# Altium PCB ECG_HS_LS.PcbDoc (part 2 of 2)
Units mm, origin at the board's own origin, x right, y up, seen from the top; angles counter-clockwise.
Board outline 88.82 x 45.47 mm, 4 copper layers (Top Layer, GND, PWR, Bottom Layer), stack 0.929 mm thick; 184 components, 118 nets, 579 pads, 362 vias.
Unrouted connection lines stored in the file: 114.
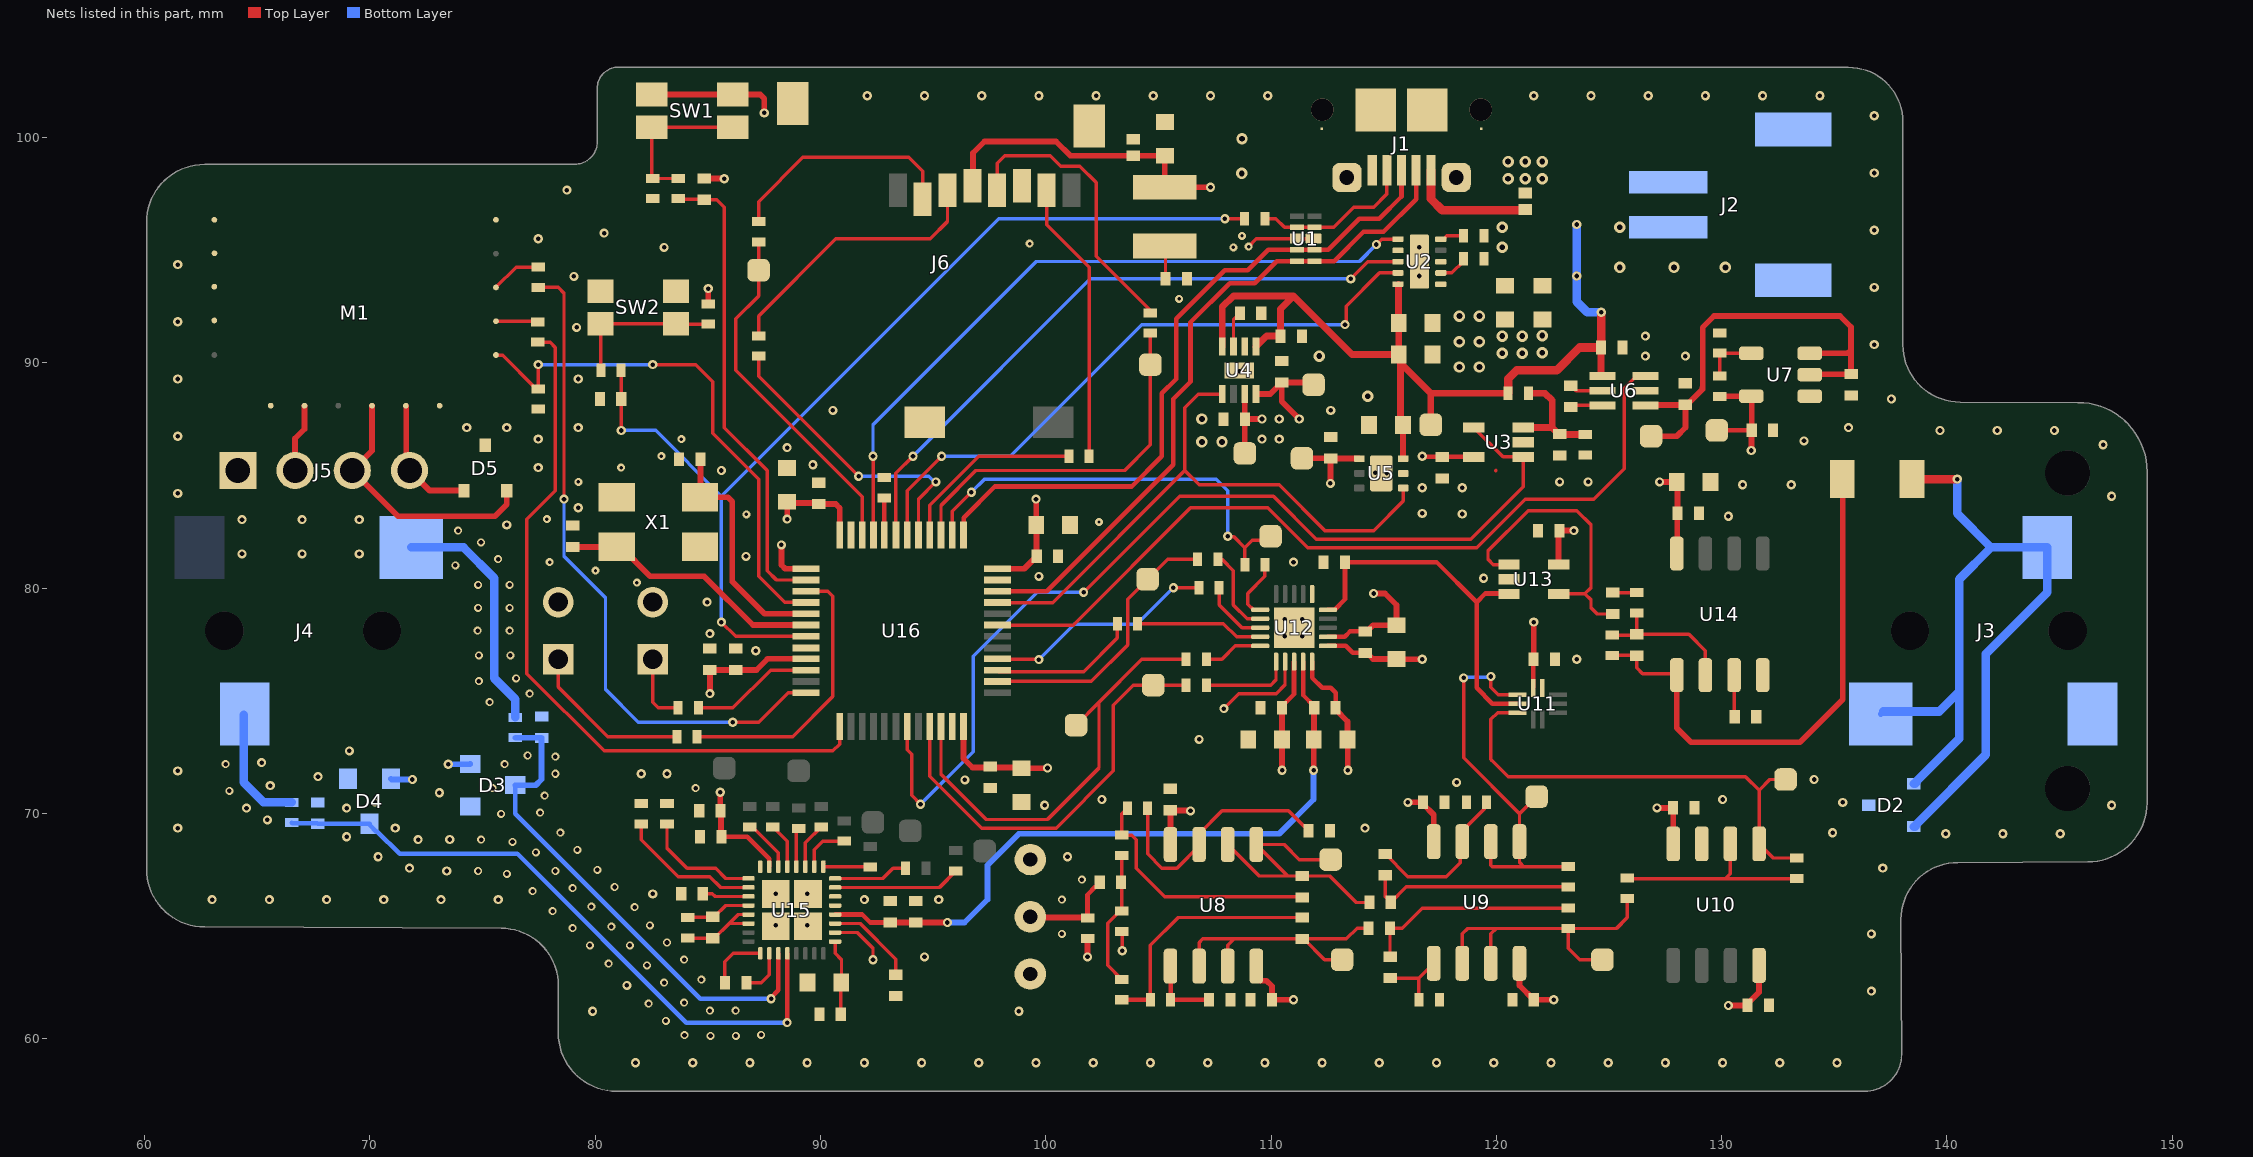
[diagram p4: the nets of this part, all layers, seen from the top]

## Via types
v1: diameter 0.406, hole 0.203, Top Layer to Bottom Layer, tented both sides, 235 vias
v2: diameter 0.356, hole 0.203, Top Layer to Bottom Layer, tented both sides, 66 vias
v3: diameter 0.508, hole 0.254, Top Layer to Bottom Layer, tented both sides, 31 vias
v4: diameter 0.356, hole 0.152, Top Layer to Bottom Layer, tented both sides, 15 vias
v5: diameter 0.406, hole 0.203, Top Layer to Bottom Layer, 13 vias
v6: diameter 1, hole 1, Top Layer to Bottom Layer, 2 vias

## Nets (pads, with @x,y where several pads share a name; then routed paths per layer and width w, separated by ;. In a path a pad name is that pad's centre, name@x,y a point inside that pad or via, vN(x,y) a via of type N, cw(c..) or ccw(c..) an arc to the next point about the centre after c; other vN are vias at no path point) (continued)
AVDD1: C6.2 C10.2 C23.1 C29.2 C31.2 C33.2 C41.1 C42.2 C43.1 R8.2 TP3.1 U3.5 U4.8 U8.8 U9.8 U10.8 U11.7 U13.5 U14.8 | length 25.4
  Top Layer w0.152: v1(116.713,85.852) v1@116.729,85.836 ; C6.2@117.586,85.836 C6.2@117.602,85.819 C6.2@117.603,85.82 ; U3.5@118.998,85.82 U3.5@118.999,85.822
  Top Layer w0.203: v1@116.729,85.836 C6.2@117.586,85.836 ; C6.2@117.603,85.82 U3.5@118.998,85.82 ; U11.7@121.647,75.565 C33.2@121.647,76.842 ; C33.2@121.652,76.847 C33.2@121.656,76.851 ; U14.8@128.016,81.534 U14.8@128.032,81.55 ; C42.2@128.016,84.709 C42.2@128.049,84.676
  Top Layer w0.254: v1(101.854,63.627) R8.2@101.854,64.447 ; U4.8@109.335,88.612 109.963,88.612 C10.2@110.478,89.127 ; U8.8@109.347,63.213 109.347,62.764 109.542,62.569 109.8,62.569 110.043,62.327 C23.1@110.043,61.722 v1(110.998,61.722) ; v1(111.252,87.503) 110.478,88.277 C10.2@110.478,89.127 ; TP3.1@111.887,89.027 111.787,89.127 C10.2@110.478,89.127 ; U3.5@118.999,85.822 U3.5@119.015,85.806 ; U9.8@121.031,63.34 121.031,62.357 C29.2@121.666,61.722 v1(122.555,61.722) ; C33.2@121.659,76.867 121.659,78.479 v1(121.666,78.486) ; U13.5@122.766,81.041 122.766,82.507 C41.1@122.809,82.55 v1(123.444,82.55) ; v1(127.254,84.709) C42.2@128.016,84.709 ; U14.8@128.032,81.55 128.032,83.296 C43.1@128.049,83.312 C42.2@128.049,84.676 ; v1(130.302,61.468) C31.2@131.158,61.468 131.158,61.543 131.666,62.051 U10.8@131.666,63.246
AVDD2: C12.2 C35.2 C36.2 C37.1 C38.2 C56.2 C57.2 D3.3 D4.3 J5.2 M1.J7 TP4.1 U5.1 U12.2 U12.19 U15.12 | length 44.9
  Top Layer w0.203: U15.12@90.651,65.506 91.847,65.506 92.202,65.151 C57.2@93.091,65.151 ; U12.19@111.422,76.732 111.422,75.249 111.92,74.751 C36.2@111.92,74.676 ; U12.2@112.524,77.834 U12.2@112.522,77.832 113.266,77.832 113.506,78.072 C38.2@114.173,78.072
  Top Layer w0.254: J5.2@66.675,85.217 66.675,86.636 67.092,87.053 M1.J7@67.092,88.095 ; C57.2@93.091,65.151 C56.2@94.234,65.151 v1(95.631,65.151) ; TP4.1@111.375,85.76 111.376,85.759 C12.2@112.649,85.758 C12.2@112.649,85.758 ; v1(111.893,71.907) 111.896,71.91 111.896,73.276 111.909,73.289 111.909,74.665 C36.2@111.92,74.676 ; v1@112.644,84.65 112.644,85.753 C12.2@112.649,85.758 ; U5.1@113.919,85.74 113.91,85.749 112.658,85.749 C12.2@112.649,85.758 ; C38.2@114.173,78.072 114.248,78.072 114.523,78.347 C37.1@115.57,78.347 115.57,79.248 115.062,79.756 v1(114.554,79.756)
  Bottom Layer w0.254: D4.3@70.932,71.532 70.963,71.501 v1(71.882,71.501) ; v1(73.472,72.178) 74.435,72.178 D3.3@74.454,72.197 ; v1(95.631,65.151) 96.393,65.151 97.409,66.167 97.409,67.691 98.806,69.088 110.363,69.088 111.887,70.612 111.887,71.901 v1(111.893,71.907)
  other v1: 112.639,84.645
AVDD_EN: U4.5 U5.4 U16.33 | length 27.4
  Top Layer w0.152: U16.33@97.849,79.355 100.31,79.355 106.172,85.217 ; U4.5@107.835,88.612 106.773,88.612 106.172,88.011 106.172,85.217 ; U5.4@115.869,84.44 115.869,83.865 114.554,82.55 112.395,82.55 110.363,84.582 106.807,84.582 106.172,85.217
AVSS: C17.2 C24.2 C30.1 C32.1 C35.1 C36.1 C37.2 C38.1 R6.2 TP6.1 U7.5 U8.4 U9.4 U10.4 U12.1 U12.20 | length 22.9
  Top Layer w0.152: C35.1@113.399,73.279 C35.1@113.411,73.267 ; C37.2@115.57,76.847 C37.2@115.582,76.835
  Top Layer w0.203: U12.20@111.822,76.732 111.822,76.011 112.268,75.565 112.649,75.565 112.87,75.344 C36.1@112.87,74.676 ; U12.1@112.522,77.432 113.322,77.432 113.632,77.122 C38.1@114.173,77.122 C38.1@114.248,77.122 ; TP6.1@129.794,86.995 129.803,87.004 C17.2@131.33,87.004 ; R6.2@129.921,88.508 R6.2@129.932,88.519
  Top Layer w0.254: U8.4@105.537,68.613 C24.2@105.537,70.137 105.553,70.12 106.41,70.12 v1(106.426,70.104) ; C36.1@112.87,74.676 112.87,74.601 113.399,74.072 C35.1@113.399,73.279 ; v1(113.411,71.907) C35.1@113.411,73.267 ; C38.1@114.248,77.122 114.523,76.847 C37.2@115.57,76.847 ; C37.2@115.582,76.835 115.588,76.841 116.707,76.841 v1(116.713,76.835) ; v1(116.078,70.485) C30.1@116.746,70.485 116.746,70.41 117.221,69.935 U9.4@117.221,68.74 ; v1(127.134,70.238) 127.849,70.238 127.852,70.241 127.852,68.703 127.825,68.676 U10.4@127.856,68.646 ; R6.2@129.932,88.519 U7.5@131.318,88.519 131.339,88.498 C17.2@131.339,87.013 131.33,87.004 131.329,87.003 131.329,86.117 v1(131.318,86.106)
  Bottom Layer w0.254: v1@127.127,70.245 v1(127.134,70.238)
BAT_CAP: U3.1 U3.4 U16.19 | length 44.4
  Top Layer w0.152: U16.19@93.849,73.855 93.849,72.825 94.044,72.63 94.044,70.794 v1(94.441,70.398) ; v1(101.678,79.81) 105.942,84.074 110.109,84.074 112.014,82.169 118.872,82.169 121.199,84.496 U3.1@121.199,85.822 120.299,85.822 U3.4@118.999,87.122
  Bottom Layer w0.152: v1(94.441,70.398) 96.774,72.731 96.774,76.962 99.622,79.81 v1(101.678,79.81)
BLE_RST: M1.J12 R48.2 U16.4 | length 23.7
  Top Layer w0.152: M1.J12@75.592,90.345 75.611,90.326 75.886,90.326 77.37,88.842 R48.2@77.47,88.842 v1(77.47,89.916) ; v1(82.55,89.916) 84.455,89.916 85.217,89.154 85.217,86.868 87.249,84.836 87.249,80.518 88.406,79.361 89.343,79.361 U16.4@89.349,79.355
  Bottom Layer w0.152: v1(77.47,89.916) v1(82.55,89.916)
BLE_RX: R49.2 U16.13 | length 32.1
  Top Layer w0.152: R49.2@77.456,90.915 77.995,90.915 78.232,90.678 78.232,84.328 76.962,83.058 76.962,76.2 80.391,72.771 90.551,72.771 90.849,73.069 U16.13@90.849,73.855
BLE_SWCLK: D5.1 J5.4 M1.J10 | length 5.7
  Top Layer w0.254: M1.J10@71.611,88.076 71.611,85.361 J5.4@71.755,85.217 72.628,84.344 72.644,84.328 D5.1@74.168,84.328
BLE_SWDIO: D5.2 J5.3 M1.J9 | length 11.8
  Top Layer w0.254: M1.J9@70.092,88.095 70.092,86.094 J5.3@69.215,85.217 71.247,83.185 75.544,83.185 76.068,83.709 D5.2@76.068,84.328
BLE_TX: R50.2 U16.12 | length 29.6
  Top Layer w0.152: R50.2@77.47,93.345 78.359,93.345 78.613,93.091 v1(78.613,83.947) ; v1(86.106,74.041) 87.249,74.041 88.563,75.355 U16.12@89.349,75.355
  Bottom Layer w0.152: v1(78.613,83.947) 78.613,81.407 80.454,79.566 80.454,75.502 81.915,74.041 v1(86.106,74.041)
BOOT: R41.1 U16.44 | length 1.7
  Top Layer w0.203: U16.44@92.833,82.355 92.835,82.357 92.835,84.003 R41.1@92.837,84.005
CHG_#CHG: U2.8 U16.43 | length 28.9
  Top Layer w0.152: U16.43@93.349,82.355 93.349,85.094 v1(94.107,85.852) ; v1(113.538,93.726) 114.3,94.488 U2.8@115.636,94.488
  Bottom Layer w0.152: v1(94.107,85.852) 101.981,93.726 v1(113.538,93.726)
CHG_#PG: U2.9 U16.42 | length 28.2
  Top Layer w0.152: U16.42@93.849,82.355 93.849,84.324 v1(95.377,85.852) ; v1(113.284,91.694) 113.333,91.743 113.333,92.505 114.816,93.988 U2.9@115.636,93.988
  Bottom Layer w0.152: v1(95.377,85.852) 98.425,85.852 104.267,91.694 v1(113.284,91.694)
CHG_EN: U2.6 U16.45 | length 31.6
  Top Layer w0.152: v1(92.329,85.852) 92.334,85.847 92.334,82.37 U16.45@92.349,82.355 ; v1(114.681,95.25) 114.919,95.488 U2.6@115.636,95.488
  Bottom Layer w0.152: v1(92.329,85.852) 92.329,87.249 99.576,94.496 113.927,94.496 v1(114.681,95.25)
DVDD: C9.2 C39.2 C40.2 C58.2 C59.2 C60.2 C61.2 C62.2 C63.2 C64.2 C65.2 C66.2 C67.2 C70.1 C72.2 D6.1 J6.4 L1.1 R44.2 SW1.2 SW1.2' TP2.1 U4.7 U12.18 U15.23 U16.1 U16.9 U16.24 U16.36 U16.48 | length 56.2
  Top Layer w0.203: C59.2@85.598,68.961 86.741,68.961 87.726,67.976 U15.23@87.726,67.631 ; C9.2@108.835,87.507 C9.2@108.839,87.503 ; C40.2@110.49,74.676 110.49,74.751 111.022,75.283 U12.18@111.022,76.732
  Top Layer w0.254: SW1.2'@82.506,101.907 SW1.2@86.106,101.907 87.323,101.907 87.503,101.727 v1(87.503,101.092) ; C70.1@84.846,98.184 84.852,98.178 85.718,98.178 v1(85.725,98.171) ; R44.2@85.013,92.614 v1(85.013,93.295) ; v1(85.09,75.314) C66.2@85.09,76.36 C67.2@86.233,76.36 87.155,76.36 87.65,76.855 U16.9@89.349,76.855 ; v1(85.546,70.93) 85.546,70.181 C58.2@85.565,70.161 ; C58.2@85.565,70.104 85.582,70.088 85.582,68.977 C59.2@85.598,68.961 ; v1(88.265,81.915) 88.265,81.026 88.436,80.855 U16.1@89.349,80.855 ; v1(88.519,83.058) C60.2@88.519,83.832 88.572,83.779 89.863,83.779 C61.2@89.916,83.726 90.676,83.726 90.849,83.553 U16.48@90.849,82.355 ; U16.24@96.349,73.855 96.349,72.434 96.749,72.034 98.896,72.034 C64.2@98.933,71.997 98.939,72.003 100.07,72.003 v1(100.076,72.009) ; J6.4@96.737,97.863 96.774,97.9 96.774,99.314 97.282,99.822 100.457,99.822 101.092,99.187 D6.1@103.886,99.187 C72.2@105.283,99.187 L1.1@105.283,97.79 v1(107.315,97.79) ; U16.36@97.849,80.855 99.049,80.855 C63.2@99.601,81.407 ; v1(99.568,83.947) 99.574,83.941 99.574,82.81 C62.2@99.58,82.804 99.59,82.793 C63.2@99.59,81.418 ; C9.2@108.835,87.507 U4.7@108.835,88.612 ; TP2.1@108.839,85.979 C9.2@108.839,87.503 v1(109.601,87.503) ; v1(110.49,71.907) C39.2@110.49,73.279 C40.2@110.49,74.676
  other v1: 109.601,86.614 110.363,86.614 110.363,87.503
ELEC_LA: J4.3 R29.2 | length 5.5
  Bottom Layer w0.203: J4.3@64.389,74.362 J4.3@64.432,74.405
  Bottom Layer w0.381: J4.3@64.389,74.362 64.389,71.374 65.274,70.489 R29.2@66.519,70.489
ELEC_RA: J4.2 R28.2 | length 10.8
  Bottom Layer w0.381: J4.2@71.832,81.805 74.151,81.805 75.519,80.437 75.519,75.992 76.45,75.061 R28.2@76.45,74.262
GND: C1.1 C2.1 C3.1 C4.1 C5.1 C6.1 C7.1 C8.1 C9.1 C10.1 C11.1 C12.1 C13.1 C15.1 C16.1 C17.1 C19.2 C20.2 C23.2 C24.1 C29.1 C30.2 C31.1 C32.2 C33.1 C34.2 C39.1 C40.1 C41.2 C42.1 C43.2 C45.1 C48.1 C49.1 C52.1 C53.1 C54.2 C55.2 C56.1 C57.1 C58.1 C59.1 C60.1 C61.1 C62.1 C63.1 C64.1 C65.1 C66.1 C67.1 C68.1 C69.1 C71.1 C72.1 C73.1 D1.2 D2.3 D3.2 D4.2 D5.3 D6.2 J1.5 J1.SH1 J1.SH2 J1.SH3 J1.SH4 J1.SH5 J1.SH6 J2.2 J2.3 J2.4 J3.1 J5.1 J6.6 J6.10 J6.11 J6.12 LD1.C LD2.C M1.J1 M1.J2 M1.J3 M1.J4 M1.J6 M1.J11 M1.J16 pad.D- pad.SHIELD R2.1 R3.1 R5.1 R7.1 R9.1 R16.2 R17.2 R39.1 R40.2 R41.2 R42.2 R48.1 SW2.1 SW2.1' U1.3 U1.8 U2.3 U2.7 U2.11 U3.2 U4.2 U4.9 U5.5 U5.7 U6.2 U7.1 U10.3 U11.6 U12.6 U12.17 U12.21 U13.2 U14.4 U15.10 U15.13 U15.14 U15.24 U15.33 U16.8 U16.23 U16.35 U16.47 X1.2 X1.4 | length 10.6
  Top Layer w0.152: U16.8@89.347,77.341 U16.8@89.349,77.339 ; U15.10@90.651,64.706 91.631,64.706 92.329,64.008 v1(92.329,63.5) ; R9.1@103.378,64.759 103.396,64.741 v1(103.396,63.894) ; v1(107.906,74.645) 108.572,75.311 110.236,75.311 110.622,75.697 U12.17@110.622,76.732 ; v4(109.009,95.154) 109.009,95.163 109.346,95.5 111.112,95.5 U1.8@111.124,95.512 U1.3@111.887,95.512 ; 119.976,85.213 119.987,85.224
  other v1: 81.788,58.928 84.328,58.928 86.868,58.928 89.408,58.928 91.948,58.928 94.488,58.928 97.028,58.928 99.568,58.928 102.108,58.928 104.648,58.928 107.188,58.928 109.728,58.928 112.268,58.928 114.808,58.928 117.348,58.928 119.888,58.928 122.428,58.928 124.968,58.928 127.508,58.928 130.048,58.928 132.588,58.928 135.128,58.928 79.883,61.214 98.806,61.214 136.652,62.103 81.407,62.357 94.615,63.627 136.652,64.643 62.992,66.167 65.532,66.167 68.072,66.167 70.612,66.167 73.152,66.167 75.692,66.167 91.948,66.167 95.25,66.167 82.55,66.421 73.406,67.437 71.755,67.564 137.16,67.564 70.358,68.072 100.965,68.072 72.136,68.834 73.54,68.838 68.961,68.961 139.954,69.088 142.494,69.088 145.034,69.088 134.931,69.134 61.468,69.342 71.12,69.342 114.173,69.342 65.443,69.707 64.516,70.231 68.961,70.231 99.949,70.358 147.32,70.358 135.382,70.485 102.489,70.612 130.048,70.612 73.082,70.912 65.57,71.231 118.237,71.374 96.411,71.481 134.112,71.501 67.691,71.628 82.042,71.755 83.185,71.755 61.468,71.882 65.189,72.247 69.088,72.771 106.807,73.279 123.571,76.835 87.122,77.216 85.09,77.978 84.963,79.375 119.437,80.437 99.695,80.518 110.998,81.153 86.692,81.406 64.319,81.513 66.986,81.513 69.526,81.513 76.073,82.804 64.319,83.037 66.986,83.037 69.526,83.037 130.302,83.185 118.487,83.286 116.713,83.312 79.248,83.566 147.32,84.074 61.468,84.201 116.713,84.455 118.491,84.455 130.937,84.582 133.096,84.582 122.809,84.709 124.079,84.709 85.598,85.217 77.47,85.344 89.662,85.471 88.519,86.233 146.939,86.36 133.661,86.533 77.47,86.614 61.468,86.741 139.7,86.995 142.24,86.995 144.78,86.995 74.295,87.122 76.073,87.122 79.248,87.122 135.636,87.122 90.551,87.884 112.649,87.884 137.541,88.392 61.468,89.281 79.248,89.281 126.619,90.297 128.397,90.297 136.779,90.805 126.619,91.186 79.172,91.57 61.468,91.821 136.779,93.345 79.051,93.832 61.468,94.361 83.058,95.123 77.47,95.504 80.391,95.758 136.779,95.885 78.74,97.663 136.779,98.425 136.779,100.965 92.075,101.854 94.615,101.854 97.155,101.854 99.695,101.854 102.235,101.854 104.775,101.854 107.315,101.854 109.855,101.854 121.666,101.854 124.206,101.854 126.746,101.854 129.286,101.854 131.826,101.854 134.366,101.854
  other v2: 85.116,60.122 86.246,60.122 83.963,60.147 87.368,60.16 83.136,60.784 85.083,61.239 86.229,61.239 82.374,61.546 83.947,61.595 83.058,62.484 84.709,62.611 82.296,63.246 80.596,63.324 83.947,63.5 79.756,64.135 81.534,64.135 83.185,64.262 100.711,64.643 78.994,64.897 80.712,64.964 82.423,65.024 78.105,65.659 81.748,65.838 79.823,65.853 100.711,66.167 77.216,66.548 78.994,66.675 80.859,66.727 101.6,67.056 76.073,67.31 74.803,67.437 78.232,67.437 80.097,67.489 77.368,68.263 79.208,68.378 76.327,68.732 74.93,68.834 78.446,69.14 75.819,69.977 77.557,70.029 70.231,70.485 77.757,70.786 63.754,70.993 75.438,71.12 84.455,71.12 78.232,71.755 63.596,72.182 75.979,72.183 78.232,72.517 76.995,72.564 75.311,74.93 77.089,75.311 74.836,75.866 76.487,75.993 74.836,77.009 76.233,77.009 74.782,78.105 76.2,78.105 74.803,79.121 76.2,79.121 74.803,80.137 76.2,80.137 73.785,81.008 75.692,81.28 74.928,82.024 73.914,82.55
  other v3: 106.934,86.487 107.823,86.487 106.934,87.503 114.3,88.519 118.364,89.813 119.253,89.813 112.141,90.297 120.269,90.424 121.158,90.424 122.047,90.447 118.364,90.932 119.253,90.932 120.269,91.186 121.158,91.186 122.047,91.209 118.364,92.075 119.253,92.075 125.476,94.234 127.889,94.234 130.175,94.234 120.269,95.123 120.269,96.012 125.476,96.012 120.523,98.171 121.285,98.171 122.047,98.171 108.7,98.405 120.523,98.933 121.285,98.933 122.047,98.933 108.712,99.949
  other v4: 81.845,80.243 80.01,80.772 77.978,81.153 102.362,82.931 77.851,83.058 86.707,83.267 79.248,84.709 81.153,85.344 82.931,85.852 83.82,86.614 105.918,92.837 108.331,95.123 99.284,95.286 108.712,95.631
  other v5: 88.011,65.024 89.408,65.024 88.011,66.421 89.408,66.421 110.617,77.851 111.379,77.851 110.617,78.613 111.379,78.613 114.619,85.111 115.134,85.105 108.583,89.625 116.586,93.853 116.586,95.123
  other v6: 112.282,101.227 119.306,101.227
INV_#SHDN: U6.3 U16.31 | length 36.9
  Top Layer w0.152: U16.31@97.849,78.355 101.215,78.355 106.426,83.566 109.853,83.566 111.631,81.788 119.126,81.788 121.285,83.947 124.333,83.947 125.678,85.292 125.678,88.867 126.219,89.408 U6.3@126.619,89.408
LED_GRN: R47.1 U16.10 | length 5.5
  Top Layer w0.152: R47.1@84.582,74.676 86.106,74.676 87.785,76.355 U16.10@89.349,76.355
LED_RED: R46.1 U16.3 | length 12.5
  Top Layer w0.152: R46.1@84.524,73.406 88.773,73.406 90.551,75.184 90.551,79.629 90.325,79.855 U16.3@89.349,79.855
MCP_#CS: R25.2 TP15.1 U16.38 | length 19.2
  Top Layer w0.152: U16.38@95.849,82.355 95.849,83.406 v1(96.697,84.254) ; v1@108.103,82.27 108.357,82.27 108.839,81.788 ; R25.2@108.839,81.026 108.839,81.788 ; TP15.1@109.982,82.296 109.808,82.122 109.173,82.122 108.839,81.788
  Bottom Layer w0.152: v1(96.697,84.254) 97.279,84.836 107.569,84.836 108.077,84.328 v1(108.077,82.296)
MCP_#IRQ: R20.2 TP12.1 U16.22 | length 19.9
  Top Layer w0.152: U16.22@95.349,73.855 95.349,71.733 97.359,69.723 100.076,69.723 102.362,72.009 102.362,74.93 ; TP12.1@101.346,73.914 102.362,74.93 ; R20.2@106.23,76.835 104.267,76.835 102.362,74.93
MCP_DIN: R23.2 U16.28 | length 10.3
  Top Layer w0.152: U16.28@97.849,76.855 97.864,76.84 99.68,76.84 v1(99.695,76.824) ; v1(105.664,80.01) R23.2@106.796,80.01
  Bottom Layer w0.152: v1(99.695,76.824) 101.255,78.384 104.038,78.384 v1(105.664,80.01)
MCP_DOUT: R22.2 U16.27 | length 6.6
  Top Layer w0.152: U16.27@97.849,76.355 97.913,76.291 101.691,76.291 103.182,77.782 R22.2@103.182,78.422
MCP_MCLK: R21.2 TP13.1 U16.21 | length 18.9
  Top Layer w0.152: U16.21@94.849,73.855 94.849,71.648 97.155,69.342 100.457,69.342 102.997,71.882 102.997,74.803 103.886,75.692 TP13.1@104.775,75.692 R21.2@106.23,75.692
MCP_SCK: R24.2 TP14.1 U16.26 | length 12.3
  Top Layer w0.152: U16.26@97.849,75.855 102.017,75.855 103.632,77.47 103.632,79.502 105.41,81.28 R24.2@106.738,81.28
Mic: C18.1 pad.D+ R8.1 | length 4.4
  Top Layer w0.203: R8.1@101.854,65.347 101.854,66.388 102.197,66.731 102.272,66.731 102.395,66.854 C18.1@102.395,66.929
  Top Layer w0.254: pad.D+@99.314,65.405 99.343,65.376 101.825,65.376 R8.1@101.854,65.347
NetC5_2: C5.2 R4.1 R5.2 U3.3 | length 5.3
  Top Layer w0.305: U3.3@121.199,87.122 122.483,87.122 ; R4.1@121.423,88.646 122.174,88.646 122.483,88.337 122.483,87.122 ; R5.2@123.952,86.81 123.94,86.822 122.822,86.822 C5.2@122.809,86.835 122.734,86.835 122.661,86.908 122.661,86.943 122.483,87.122
NetC8_2: C8.2 U4.3 | length 1.6
  Top Layer w0.152: U4.3@108.335,90.712 108.335,91.919 C8.2@108.618,92.202
NetC14_1: C14.1 U6.6 | length 1.3
  Top Layer w0.152: C14.1@123.396,88.108 U6.6@124.719,88.108
NetC14_2: C14.2 U6.5 | length 1.5
  Top Layer w0.152: C14.2@123.317,88.979 123.538,88.758 U6.5@124.719,88.758
NetC18_2: C18.2 R9.2 R10.2 R11.2 | length 6.1
  Top Layer w0.152: R9.2@103.278,65.659 102.743,65.124 102.743,63.257 R11.2@103.378,62.622 ; R9.2@103.378,65.659 C18.2@103.378,66.896 ; C18.2@103.378,66.962 R10.2@103.378,68.13
  Top Layer w0.203: R9.2@103.278,65.659 R9.2@103.378,65.659 ; C18.2@103.378,66.896 C18.2@103.345,66.929 C18.2@103.378,66.962
NetC19_1: C19.1 R12.1 U8.3 | length 11.2
  Top Layer w0.152: R12.1@104.521,70.231 104.521,68.199 105.156,67.564 105.826,67.564 U8.3@106.841,68.579 ; U8.3@106.807,68.613 106.807,69.088 107.823,70.104 110.777,70.104 C19.1@111.666,69.215
NetC20_1: C20.1 R13.1 U8.5 | length 3.2
  Top Layer w0.203: U8.5@105.537,63.213 105.548,63.202 R13.1@105.548,61.722 C20.1@107.254,61.722
NetC21_1: C21.1 C25.2 TP7.1 U8.1 U8.2 | length 12.9
  Top Layer w0.152: U8.2@108.077,68.613 109.474,67.216 110.744,67.216 ; TP7.1@112.649,67.945 111.252,67.945 110.584,68.613 U8.1@109.347,68.613 110.744,67.216 ; C25.2@114.366,66.04 113.792,66.04 112.616,67.216 C21.1@111.379,67.216 110.744,67.216
NetC21_2: C21.2 R10.1 R12.2 | length 11.2
  Top Layer w0.152: R12.2@103.621,70.231 103.378,69.988 R10.1@103.378,69.03 103.817,69.03 104.013,68.834 104.013,67.564 105.283,66.294 C21.2@111.386,66.294
NetC22_1: C22.1 R11.1 R13.2 | length 10.9
  Top Layer w0.152: R13.2@104.648,61.722 104.648,64.135 105.885,65.372 C22.1@111.379,65.372
  Top Layer w0.203: R11.1@103.378,61.722 R13.2@104.648,61.722
NetC22_2: C22.2 C27.2 TP8.1 U8.6 U8.7 | length 12.3
  Top Layer w0.152: U8.6@106.807,63.213 106.807,64.262 106.967,64.422 108.364,64.422 ; U8.7@108.077,63.213 108.077,64.135 108.364,64.422 ; TP8.1@113.157,63.5 112.376,63.5 C22.2@111.454,64.422 ; C27.2@114.333,64.897 113.821,64.897 113.346,64.422 C22.2@111.454,64.422 ; 108.364,64.422 C22.2@111.379,64.422 C22.2@111.454,64.422
NetC25_1: C25.1 C26.2 R14.1 | length 9.5
  Top Layer w0.152: C26.2@115.062,67.249 115.062,66.294 C25.1@115.316,66.04 116.009,66.733 R14.1@123.19,66.733
  Top Layer w0.203: R14.1@123.182,66.741 R14.1@123.19,66.733
NetC26_1: C26.1 R16.1 U9.3 | length 7.2
  Top Layer w0.152: C26.1@115.062,68.199 116.078,67.183 117.782,67.183 118.409,67.81 U9.3@118.409,68.658 ; U9.3@118.491,69.215 119.478,70.202 119.478,70.387 R16.1@119.576,70.485
  Top Layer w0.203: U9.3@118.409,68.658 U9.3@118.491,68.74 U9.3@118.491,69.215
NetC27_1: C27.1 C28.2 R15.1 | length 9.5
  Top Layer w0.152: C28.2@115.283,63.63 C27.1@115.283,64.897 115.824,64.897 116.713,65.786 R15.1@123.19,65.786
NetC28_1: C28.1 R17.1 U9.5 | length 3.2
  Top Layer w0.152: C28.1@115.284,62.68 116.561,62.68 ; R17.1@116.561,61.722 116.561,62.68 ; U9.5@117.221,63.34 116.561,62.68
NetC44_2: C44.2 R26.1 | length 1.1
  Top Layer w0.152: C44.2@125.18,79.797 125.183,79.794 126.236,79.794 R26.1@126.238,79.792
NetC45_2: C45.2 U14.3 | length 1.9
  Top Layer w0.152: U14.3@130.556,76.134 130.556,74.328 C45.2@130.589,74.295
NetC46_1: C46.1 R26.2 R27.1 U14.2 | length 6.5
  Top Layer w0.152: R27.1@125.141,77.913 126.206,77.913 C46.1@126.238,77.945 ; R26.2@126.238,78.892 C46.1@126.238,77.945 ; U14.2@129.286,76.134 129.286,77.216 128.557,77.945 C46.1@126.238,77.945
NetC46_2: C46.2 C47.1 R27.2 U14.1 | length 24
  Top Layer w0.152: R27.2@125.141,77.013 126.22,77.013 C46.2@126.238,76.995 126.238,76.454 126.492,76.2 U14.1@127.95,76.2
  Top Layer w0.254: U14.1@128.016,76.134 128.016,73.787 128.651,73.152 133.477,73.152 135.382,75.057 135.382,84.81 C47.1@135.356,84.836
NetC48_2: C48.2 D3.1 R28.1 U15.3 | length 22.5
  Top Layer w0.203: v1(87.809,61.768) 87.809,61.823 88.126,62.14 U15.3@88.126,63.781
  Bottom Layer w0.152: R28.1@76.45,73.362 R28.1@76.456,73.356
  Bottom Layer w0.203: D3.1@76.454,71.247 76.454,69.977 84.658,61.773 87.804,61.773 v1(87.809,61.768)
  Bottom Layer w0.254: D3.1@76.454,71.247 77.359,71.247 77.617,71.505 C48.2@77.617,73.349 77.61,73.356 R28.1@76.456,73.356
NetC49_2: C49.2 D4.1 R29.1 U15.4 | length 28.8
  Top Layer w0.203: v1(88.519,60.706) 88.524,60.711 88.524,63.779 U15.4@88.526,63.781
  Bottom Layer w0.203: R29.1@66.519,69.589 66.546,69.562 67.664,69.562 C49.2@67.691,69.535 69.979,69.535 D4.1@69.982,69.532 69.982,69.482 70.281,69.184 70.331,69.184 71.315,68.199 74.041,68.199 76.546,68.199 84.039,60.706 v1(88.519,60.706)
NetC50_1: C50.1 U15.2 | length 2.1
  Top Layer w0.152: C50.1@86.708,62.484 87.376,62.484 87.726,62.834 U15.2@87.726,63.781
NetC50_2: C50.2 U15.1 | length 2.6
  Top Layer w0.152: C50.2@85.758,62.484 85.758,63.406 86.133,63.781 U15.1@87.326,63.781
NetC51_1: C51.1 R30.1 U15.28 | length 2.9
  Top Layer w0.152: R30.1@84.117,65.363 84.138,65.384 85.196,65.384 C51.1@85.217,65.405 85.292,65.405 85.793,65.906 U15.28@86.801,65.906
NetC51_2: C51.2 R30.2 U15.29 U15.30 | length 4
  Top Layer w0.152: R30.2@84.117,64.463 84.121,64.459 85.213,64.459 C51.2@85.217,64.455 85.292,64.455 85.943,65.106 ; U15.30@86.801,65.106 85.943,65.106 ; U15.29@86.801,65.506 86.343,65.506 85.943,65.106
NetC52_2: C52.2 C53.2 U15.9 | length 3.3
  Top Layer w0.152: U15.9@90.651,64.306 90.651,63.781 90.932,63.5 90.932,62.496 C52.2@90.92,62.484 90.899,62.463 C53.2@90.899,61.087
NetC54_1: C54.1 U15.27 | length 2.1
  Top Layer w0.152: C54.1@84.771,66.435 85.189,66.435 85.318,66.306 U15.27@86.801,66.306
NetC55_1: C55.1 U15.11 | length 4.1
  Top Layer w0.152: U15.11@90.662,65.096 U15.11@90.651,65.106 91.765,65.106 93.345,63.526 C55.1@93.345,62.832
NetC73_2: C73.2 L1.2 | length 1.5
  Top Layer w0.152: L1.2@105.283,95.19 105.316,95.157 C73.2@105.316,93.726
NetJ6_2: J6.2 R51.1 | length 10.5
  Top Layer w0.152: R51.1@87.249,96.266 87.249,97.155 89.218,99.124 93.916,99.124 94.537,98.503 J6.2@94.537,97.263
NetJ6_3: J6.3 R52.1 | length 12.4
  Top Layer w0.152: R52.1@87.249,91.197 87.249,92.075 90.678,95.504 94.869,95.504 95.637,96.272 J6.3@95.637,97.663
NetJ6_5: J6.5 R53.1 | length 13
  Top Layer w0.152: J6.5@97.837,97.663 97.837,98.853 98.171,99.187 100.203,99.187 100.668,98.722 101.516,98.722 102.235,98.002 102.235,94.726 R53.1@104.698,92.263
NetJ6_7: J6.7 R54.1 | length 12.6
  Top Layer w0.152: J6.7@100.037,97.663 100.037,96.12 101.923,94.234 R54.1@101.923,85.852
NetLD1_A: LD1.A R46.2 | length 7.4
  Top Layer w0.152: LD1.A@78.359,76.835 78.359,75.606 80.559,73.406 R46.2@83.624,73.406
NetLD2_A: LD2.A R47.2 | length 3.1
  Top Layer w0.152: LD2.A@82.55,76.835 82.55,74.93 82.804,74.676 R47.2@83.682,74.676
NetM1_J13: M1.J13 R49.1 | length 1.9
  Top Layer w0.152: M1.J13@75.592,91.845 77.425,91.845 R49.1@77.456,91.815
NetM1_J14: M1.J14 R50.1 | length 2.3
  Top Layer w0.152: M1.J14@75.592,93.345 76.492,94.245 R50.1@77.47,94.245
NetR2_2: R2.2 U2.2 | length 1.3
  Top Layer w0.152: U2.2@117.536,93.988 118.022,93.988 118.549,94.515 R2.2@118.549,94.615
NetR3_2: R3.2 U2.5 | length 1.1
  Top Layer w0.152: U2.5@117.536,95.488 117.661,95.488 117.804,95.631 R3.2@118.549,95.631
NetR6_1: R6.1 R7.2 U7.4 | length 2.4
  Top Layer w0.152: R6.1@129.921,89.408 R7.2@129.921,90.424 129.926,90.419 U7.4@131.318,90.419
NetR15_2: R15.2 R18.1 TP9.1 U9.6 U9.7 | length 14.1
  Top Layer w0.152: U9.6@118.491,63.34 118.491,64.643 118.734,64.886 120.004,64.886 ; U9.7@119.761,63.34 119.761,64.643 120.004,64.886 ; TP9.1@124.714,63.5 123.698,63.5 123.19,64.008 R15.2@123.19,64.886 ; R18.1@125.824,66.225 125.824,65.372 125.338,64.886 R15.2@123.19,64.886 ; 120.004,64.886 R15.2@123.19,64.886
NetR18_2: R18.2 R19.1 U10.2 | length 9.2
  Top Layer w0.152: R18.2@125.853,67.096 R18.2@126.107,67.096 ; R18.2@126.078,67.125 R18.2@126.107,67.096 ; U10.2@130.396,68.646 130.396,67.317 130.175,67.096 ; R19.1@133.35,67.114 133.332,67.096 130.175,67.096 ; R18.2@126.107,67.096 130.175,67.096
NetR20_1: R20.1 U12.15 | length 2.6
  Top Layer w0.152: R20.1@107.13,76.835 107.823,76.835 108.42,77.432 U12.15@109.522,77.432
NetR21_1: R21.1 U12.16 | length 4
  Top Layer w0.152: R21.1@107.13,75.692 109.982,75.692 110.222,75.932 U12.16@110.222,76.732
NetR22_1: R22.1 U12.14 | length 5.7
  Top Layer w0.152: R22.1@104.082,78.422 107.886,78.422 108.477,77.832 U12.14@109.522,77.832
NetR23_1: R23.1 U12.13 | length 3
  Top Layer w0.152: R23.1@107.696,80.01 107.696,79.248 108.712,78.232 U12.13@109.522,78.232
NetR24_1: R24.1 U12.12 | length 3.7
  Top Layer w0.152: R24.1@107.823,81.28 108.331,80.772 108.331,79.248 108.947,78.632 U12.12@109.522,78.632
NetR25_1: R25.1 U12.11 | length 2.7
  Top Layer w0.152: U12.11@109.522,79.032 109.222,79.032 108.966,79.288 108.966,79.756 109.728,80.518 109.728,81.015 R25.1@109.739,81.026
NetR31_1: R31.1 U15.16 | length 3.3
  Top Layer w0.152: U15.16@90.651,67.106 92.76,67.106 93.218,67.564 R31.1@93.784,67.564
NetR32_1: R32.1 U15.18 | length 2.3
  Top Layer w0.152: U15.18@89.726,67.631 89.726,68.39 90.101,68.765 R32.1@91.059,68.765 R32.1@91.123,68.701
NetR33_1: R33.1 U15.19 | length 2.1
  Top Layer w0.152: U15.19@89.326,67.631 89.326,68.683 R33.1@90.043,69.4
NetR34_1: R34.1 U15.20 | length 1.7
  Top Layer w0.152: U15.20@88.926,67.631 R34.1@88.926,69.331
NetR35_1: R35.1 U15.21 | length 2
  Top Layer w0.152: R35.1@87.884,69.4 88.526,68.758 U15.21@88.526,67.631
NetR36_1: R36.1 U15.22 | length 2.3
  Top Layer w0.152: R36.1@86.868,69.4 86.968,69.4 88.126,68.242 U15.22@88.126,67.631
NetR37_1: R37.1 U15.15 | length 5.7
  Top Layer w0.152: U15.15@90.651,66.706 95.281,66.706 R37.1@96.012,67.437
NetR38_1: R38.1 U15.17 | length 2.2
  Top Layer w0.152: U15.17@90.15,67.789 90.126,67.765 U15.17@90.126,67.631 92.193,67.631 R38.1@92.202,67.622
NetR39_2: R39.2 U15.25 | length 5.2
  Top Layer w0.152: R39.2@83.185,69.527 83.185,68.453 84.074,67.564 85.344,67.564 85.802,67.106 U15.25@86.801,67.106
NetR40_1: R40.1 U15.26 | length 6.3
  Top Layer w0.152: R40.1@82.042,69.527 82.042,68.834 83.693,67.183 85.09,67.183 85.567,66.706 U15.26@86.801,66.706
NetR42_1: R42.1 R43.2 SW1.1 SW1.1' | length 7
  Top Layer w0.152: R43.2@83.693,98.182 R42.1@82.55,98.182 82.506,98.226 SW1.1'@82.506,100.457 SW1.1@86.106,100.457
NetR44_1: R44.1 R45.1 SW2.2 SW2.2' | length 6.9
  Top Layer w0.152: R45.1@80.253,89.662 80.253,91.718 SW2.2@80.24,91.731 SW2.2'@83.59,91.731 83.607,91.714 R44.1@85.013,91.714
OSC_IN: C68.2 U16.5 X1.1 | length 10.6
  Top Layer w0.254: C68.2@84.676,85.725 84.676,84.053 X1.1@84.654,84.031 85.892,84.031 86.086,83.837 86.086,80.284 87.515,78.855 U16.5@89.349,78.855
OSC_OUT: C69.2 U16.6 X1.3 | length 11.5
  Top Layer w0.254: C69.2@79.121,81.821 80.944,81.821 X1.3@80.954,81.831 ; X1.3@81.129,81.831 82.442,80.518 84.836,80.518 86.999,78.355 U16.6@89.349,78.355
SD_#CS: R51.2 TP21.1 U16.46 | length 15.8
  Top Layer w0.152: R51.2@87.249,95.366 TP21.1@87.249,94.107 87.249,92.964 86.233,91.948 86.233,89.662 91.849,84.046 U16.46@91.849,82.355
SD_DIN: R52.2 U16.41 | length 13.4
  Top Layer w0.152: R52.2@87.249,90.297 87.249,89.408 v1(91.694,84.963) ; U16.41@94.349,82.355 94.349,83.935 v1(95.123,84.709)
  Bottom Layer w0.152: v1(91.694,84.963) 94.8,84.963 95.054,84.709 v1(95.123,84.709)
SD_DOUT: R54.2 U16.40 | length 8.4
  Top Layer w0.152: U16.40@94.849,82.355 94.849,83.673 97.028,85.852 R54.2@101.023,85.852
SD_SCK: R53.2 TP22.1 U16.39 | length 16.7
  Top Layer w0.152: U16.39@95.349,82.355 95.349,83.665 96.901,85.217 103.505,85.217 104.648,86.36 TP22.1@104.648,89.916 R53.2@104.648,91.313
SOFT_#RST: J1.4 R1.2 U1.4 U1.7 | length 7.2
  Top Layer w0.152: R1.2@109.728,96.393 110.216,96.393 110.597,96.012 U1.7@111.15,96.012 U1.4@111.925,96.012 112.776,96.012 113.665,96.901 114.554,96.901 115.144,97.491 J1.4@115.144,98.552
STM_#RESET: C71.2 R1.1 R45.2 U16.7 | length 46.3
  Top Layer w0.152: v1(81.153,86.995) R45.2@81.153,89.662 ; v1(85.598,78.486) 86.229,77.855 U16.7@89.349,77.855 ; v1(107.95,96.393) R1.1@108.828,96.393
  Bottom Layer w0.152: v1(81.153,86.995) 82.681,86.995 85.598,84.078 ; v1(85.598,78.486) 85.598,84.078 ; v1(107.95,96.393) 97.913,96.393 85.598,84.078
SWCLK: J1.3 U1.2 U1.9 U16.37 | length 30.5
  Top Layer w0.203: U16.37@96.349,82.355 96.356,82.362 96.356,83.123 97.739,84.506 103.81,84.506 105.156,85.852 105.156,88.646 105.791,89.281 105.791,91.948 107.95,94.107 108.966,94.107 109.871,95.012 U1.9@111.15,95.012 U1.2@111.925,95.012 112.538,95.012 113.919,96.393 114.808,96.393 115.794,97.379 J1.3@115.794,98.552
SWDIO: J1.2 U1.1 U1.10 U16.34 | length 30.4
  Top Layer w0.203: U16.34@97.849,79.855 100.048,79.855 105.664,85.471 105.664,88.392 106.426,89.154 106.426,91.8 108.161,93.535 109.278,93.535 110.255,94.512 U1.10@111.15,94.512 U1.1@111.925,94.512 112.8,94.512 114.106,95.818 114.995,95.818 116.444,97.267 J1.2@116.444,98.552
Switch_ON: C70.2 R43.1 U16.2 | length 21
  Top Layer w0.152: R43.1@83.693,97.282 83.717,97.258 84.822,97.258 C70.2@84.846,97.234 85.392,97.234 85.725,96.901 85.725,87.122 87.63,85.217 87.63,80.772 88.047,80.355 U16.2@89.349,80.355
SYS_PWR_4V2: C3.2 C4.2 C7.2 C11.2 C13.2 J2.1 R4.2 TP1.1 U2.10 U4.1 U4.4 U5.6 U6.4 | length 41.6
  Top Layer w0.254: C11.2@115.862,87.238 115.862,85.747 U5.6@115.869,85.74
  Top Layer w0.305: U4.4@107.835,90.712 107.835,92.468 108.331,92.964 110.998,92.964 ; U4.1@109.335,90.712 109.809,91.186 C7.2@110.429,91.186 110.429,92.395 110.998,92.964 ; U2.10@115.654,93.47 115.654,91.784 C3.2@115.671,91.766 C4.2@115.671,90.369 115.662,90.361 113.602,90.361 111.595,92.367 110.998,92.964 ; C4.2@115.671,90.069 C4.2@115.742,89.998 ; C4.2@115.742,90.249 C4.2@115.742,89.998 ; C11.2@115.855,87.245 115.742,87.358 C4.2@115.742,89.998 ; TP1.1@117.094,87.249 117.094,88.646 ; R4.2@120.523,88.646 117.094,88.646 ; C13.2@124.653,90.678 124.653,89.431 124.676,89.408 U6.4@124.719,89.408 ; C4.2@115.742,89.998 117.094,88.646
  Top Layer w0.381: R4.2@120.523,88.646 120.523,89.281 120.904,89.662 122.682,89.662 123.698,90.678 C13.2@124.653,90.678 124.656,90.681 124.656,92.244 v1(124.658,92.246) ; v1(123.571,93.853) v1@123.576,93.848
  Bottom Layer w0.381: v1(123.571,93.853) v1(123.571,96.139) ; v1@123.576,93.848 123.576,92.705 124.035,92.246 v1(124.658,92.246)
V_Audio: C47.2 D2.1 D2.2 J3.2 J3.3 | length 38.9
  Top Layer w0.381: C47.2@138.456,84.836 v1(140.462,84.836)
  Bottom Layer w0.254: J3.2@137.068,74.405 J3.2@137.18,74.517
  Bottom Layer w0.381: J3.2@137.18,74.517 139.668,74.517 140.552,75.401 ; D2.2@138.541,69.408 138.591,69.408 138.65,69.467 138.65,69.517 141.732,72.599 141.732,77.074 144.467,79.81 144.467,81.804 141.969,81.805 ; D2.1@138.541,71.308 138.591,71.308 138.65,71.368 138.65,71.418 140.552,73.319 140.552,75.401 ; v1(140.462,84.836) 140.462,83.312 141.969,81.805 ; 140.552,75.401 140.552,80.388 141.969,81.805
V_Buf: C44.1 U13.1 U13.4 | length 13.1
  Top Layer w0.152: U13.1@120.566,81.041 119.873,81.041 119.634,81.28 119.634,81.661 121.412,83.439 123.571,83.439 124.206,82.804 124.206,80.01 123.937,79.741 ; U13.4@122.766,79.741 123.937,79.741 ; C44.1@125.18,78.847 124.48,78.847 124.206,79.121 124.206,79.472 123.937,79.741
V_HL: C34.1 U11.9 U12.5 U13.3 | length 16.7
  Top Layer w0.152: U13.3@120.551,79.756 U13.3@120.566,79.741
  Top Layer w0.203: U12.5@112.522,79.032 112.822,79.032 113.284,79.494 C34.1@113.284,81.153 117.348,81.153 119.126,79.375 ; U13.3@120.551,79.756 119.507,79.756 119.126,79.375 ; U11.9@120.947,74.865 119.826,74.865 119.126,75.565 119.126,79.375
V_HS: R14.2 TP10.1 U9.1 U9.2 U11.8 | length 18.1
  Top Layer w0.152: v1(118.551,76.013) 118.551,72.457 121.031,69.977 ; U9.2@119.761,68.74 119.761,67.691 119.819,67.633 121.216,67.633 ; v1(119.761,76.073) 119.761,75.593 120.089,75.265 U11.8@120.947,75.265 ; TP10.1@121.793,70.739 121.031,69.977 ; R14.2@123.19,67.633 121.216,67.633 ; 121.031,69.977 U9.1@121.031,68.74 121.031,67.818 121.216,67.633
  Bottom Layer w0.152: v1(118.551,76.013) 118.581,76.043 119.731,76.043 v1(119.761,76.073)
V_LS: R19.2 TP11.1 U10.1 U11.10 | length 21.2
  Top Layer w0.152: 119.761,72.39 119.812,72.339 ; 119.761,72.405 119.761,74.168 120.058,74.465 U11.10@120.947,74.465 ; 119.822,72.329 120.523,71.628 131.064,71.628 131.666,71.026 ; TP11.1@132.842,71.501 132.141,71.501 131.666,71.026 ; R19.2@133.35,68.014 132.298,68.014 U10.1@131.666,68.646 131.666,71.026
VSS_-4V2: C15.2 C16.2 TP5.1 U6.1 U7.2 U7.3 | length 21.1
  Top Layer w0.254: U6.1@126.619,88.108 126.634,88.123 128.382,88.123 C15.2@128.397,88.138 ; TP5.1@126.873,86.741 128.016,86.741 128.397,87.122 C15.2@128.397,88.138 ; U7.2@133.918,89.469 133.934,89.486 135.747,89.486 135.747,90.567 ; U7.3@133.918,90.419 135.598,90.419 135.747,90.567 ; C15.2@128.397,88.138 128.472,88.138 129.159,88.825 129.159,88.9 129.162,88.903 129.162,91.57 129.667,92.075 135.255,92.075 135.747,91.583 135.747,90.567
VUSB: C1.2 C2.2 D1.1 J1.1 U2.1 | length 5.7
  Top Layer w0.381: J1.1@117.094,98.552 117.104,98.543 117.104,97.272 117.602,96.774 D1.1@121.285,96.774
pads on no net: J3. J4. J4.1 J6.1 J6.8 J6.9 M1.J5 M1.J8 M1.J15 U1.5 U1.6 U2. U2.4 U4.6 U5.2 U5.3 U10.5 U10.6 U10.7 U11.3 U11.4 U11.5 U12.3 U12.4 U12.7 U12.8 U12.9 U12.10 U14.6 U14.7 U15.5 U15.6 U15.7 U15.8 U15.31 U15.32

## Polygon pours and split planes (outlines as drawn)
GND on Bottom Layer "GND_L04_P133" (solid, remove dead copper, pour order 133): 80.518,102.616 136.271,102.616 137.541,101.346 137.541,89.662 139.446,87.757 146.685,87.757 148.336,86.106 148.336,69.641 147.021,68.326 139.319,68.326 137.414,66.421 137.414,59.182 136.398,58.166 80.137,58.166 78.867,59.436 78.867,63.5 76.962,65.405 62.23,65.405 60.579,67.056 60.579,97.028 61.849,98.298 79.756,98.298 80.518,99.06
AVDD2 on Bottom Layer "AVDD2_L04_P126" (solid, remove dead copper, pour order 126): 111.252,86.233 115.189,86.233 115.189,71.501 111.252,71.501
AVSS on Bottom Layer "AVSS_L04_P128" (solid, remove dead copper, pour order 128): 129.032,87.608 131.953,87.608 131.953,69.469 126.746,69.469 126.746,81.788 129.032,81.788
SYS_PWR_4V2 on Bottom Layer "Bottom Layer-SYS_PWR_4V2" (solid, remove dead copper, pour order 122): 122.936,91.567 125.349,91.567 125.349,92.964 124.333,92.964 124.333,97.481 129.367,97.526 129.367,98.518 122.936,98.518
AVDD1 on PWR "AVDD1_L03_P125" (solid, remove dead copper, pour order 125): 97.629,66.107 97.629,66.267 105.368,66.267 ccw(c105.428,66.421) 105.428,66.256 128.524,66.256 ccw(c128.524,66.421) 128.689,66.421 128.689,77.724 ccw(c128.524,77.724) 128.641,77.841 128.528,77.954 ccw(c128.411,77.837) 128.411,78.002 118.213,78.002 110.744,85.471 110.744,102.616 136.271,102.616 137.541,101.346 137.541,89.662 139.446,87.757 146.685,87.757 148.336,86.106 148.336,69.596 147.066,68.326 139.319,68.326 137.414,66.421 137.414,59.182 136.398,58.166 97.625,58.166 97.625,66.103
AVSS on PWR "AVSS_L03_P120" (solid, remove dead copper, pour order 120): 104.813,66.256 104.813,70.574 111.252,70.574 ccw(c111.252,70.739) 111.417,70.739 111.417,74.7 ccw(c111.252,74.7) 111.369,74.817 109.258,76.927 109.258,83.924 110.775,85.44 118.213,78.002 128.426,78.002 128.688,77.74 128.688,66.422 128.689,66.421 128.524,66.256
DVDD on PWR "DVDD_L03_P121" (solid, remove dead copper, pour order 121): 97.777,66.256 104.483,66.256 104.483,70.739 cw(c104.648,70.739) 104.648,70.904 111.087,70.904 111.087,74.632 108.976,76.742 cw(c109.093,76.859) 108.928,76.859 108.928,83.992 cw(c109.093,83.992) 108.976,84.109 110.744,85.877 110.744,102.616 80.899,102.616 80.518,102.235 80.52,102.233 80.52,99.061 79.756,98.298 79.591,98.298 79.591,73.406 86.777,66.22 86.777,66.152 97.585,66.152 97.629,66.107
AVDD2 on PWR "AVDD2_L03_P124" (solid, remove dead copper, pour order 124): 80.137,58.166 97.625,58.166 97.625,66.103 86.894,66.103 cw(c86.894,66.268) 86.777,66.152 79.639,73.289 cw(c79.756,73.406) 79.591,73.406 79.591,98.298 61.849,98.298 60.579,97.028 60.579,67.056 62.23,65.405 76.962,65.405 78.867,63.5 78.867,59.436
GND on Top Layer "GND_L01_P132" (solid, remove dead copper, pour order 132): 80.518,102.616 136.271,102.616 137.541,101.346 137.541,89.662 139.446,87.757 146.685,87.757 148.336,86.106 148.336,69.641 147.021,68.326 139.319,68.326 137.414,66.421 137.414,59.182 136.398,58.166 80.137,58.166 78.867,59.436 78.867,63.5 76.962,65.405 62.23,65.405 60.579,67.056 60.579,97.028 61.849,98.298 79.756,98.298 80.518,99.06
VUSB on Top Layer "Top Layer-VUSB" (solid, remove dead copper, pour order 130): 119.634,92.964 122.682,92.964 122.682,96.966 120.904,96.966 120.904,94.869 119.634,93.599 117.221,93.599 117.221,93.345 119.634,93.345
DVDD on Top Layer "DVDD_L01_P131" (solid, remove dead copper, pour order 131): 108.339,87.726 108.339,86.226 110.582,86.226 110.582,87.726
GND on GND "GND_L02_P123" (solid, remove dead copper, pour order 123): 80.518,102.616 136.271,102.616 137.541,101.346 137.541,89.662 139.446,87.757 146.685,87.757 148.336,86.106 148.336,69.641 147.021,68.326 139.319,68.326 137.414,66.421 137.414,59.182 136.398,58.166 80.137,58.166 78.867,59.436 78.867,63.5 76.962,65.405 62.23,65.405 60.579,67.056 60.579,97.028 61.849,98.298 79.756,98.298 80.518,99.06

## Other copper
Top Layer:
  pour cut-out: 80.899,102.616 80.391,102.108 80.391,102.616
GND:
  pour cut-out: 80.391,102.108 80.899,102.616 80.391,102.616
PWR:
  pour cut-out: 80.391,102.108 80.899,102.616 80.391,102.616
Bottom Layer:
  pour cut-out: 80.899,102.616 80.391,102.616 80.391,102.108

## Silkscreen, mask and mechanical layers (free items; w line width, h text height)
Top Overlay:
  lines w0.254: 126.111,94.869 134.366,94.869 134.366,99.314 126.111,99.314 126.111,94.869
  text "NCU" at 126.746,97.663 h1.78
  text "IBSA Lab" at 126.746,96.52 h1.02
  text "ECG Stethoscope" at 126.746,95.25 h1.02
  text "GND" at 62.738,82.562 h1.14
  text "3V" at 65.659,82.563 h1.14
  text "SWDIO" at 67.31,82.562 h1.14
  text "SWCLK" at 70.993,82.562 h1.14
M04_PCBoutlineOnly:
  lines w0.254: 60.08,67.528 ccw(c62.655,67.528) 62.655,64.954 75.819,64.897 cw(c75.819,62.357) 78.359,62.357 78.359,60.25 ccw(c80.951,60.25) 80.951,57.658 136.348,57.652 ccw(c136.348,59.3) 137.995,59.3 137.966,65.287 cw(c140.49,65.287) 140.49,67.811 146.258,67.84 ccw(c146.258,70.472) 148.891,70.472 148.896,85.164 ccw(c145.824,85.164) 145.824,88.235 140.589,88.257 cw(c140.589,90.797) 138.049,90.797 138.054,100.696 ccw(c135.635,100.696) 135.635,103.115 ; 60.08,67.555 60.08,96.233 cw(c62.655,96.233) 62.655,98.807 79.084,98.813 ccw(c79.084,99.82) 80.091,99.82 80.091,102.189 cw(c81.026,102.189) 81.026,103.124 135.635,103.124

## Dimensions
87.1,103.214 to 80.951,57.658 on M16_BoardDetails_Top
60.08,67.555 to 148.891,70.472 on M16_BoardDetails_Top